# Altium PCB eva01.PcbDoc (part 1 of 4) (continued)
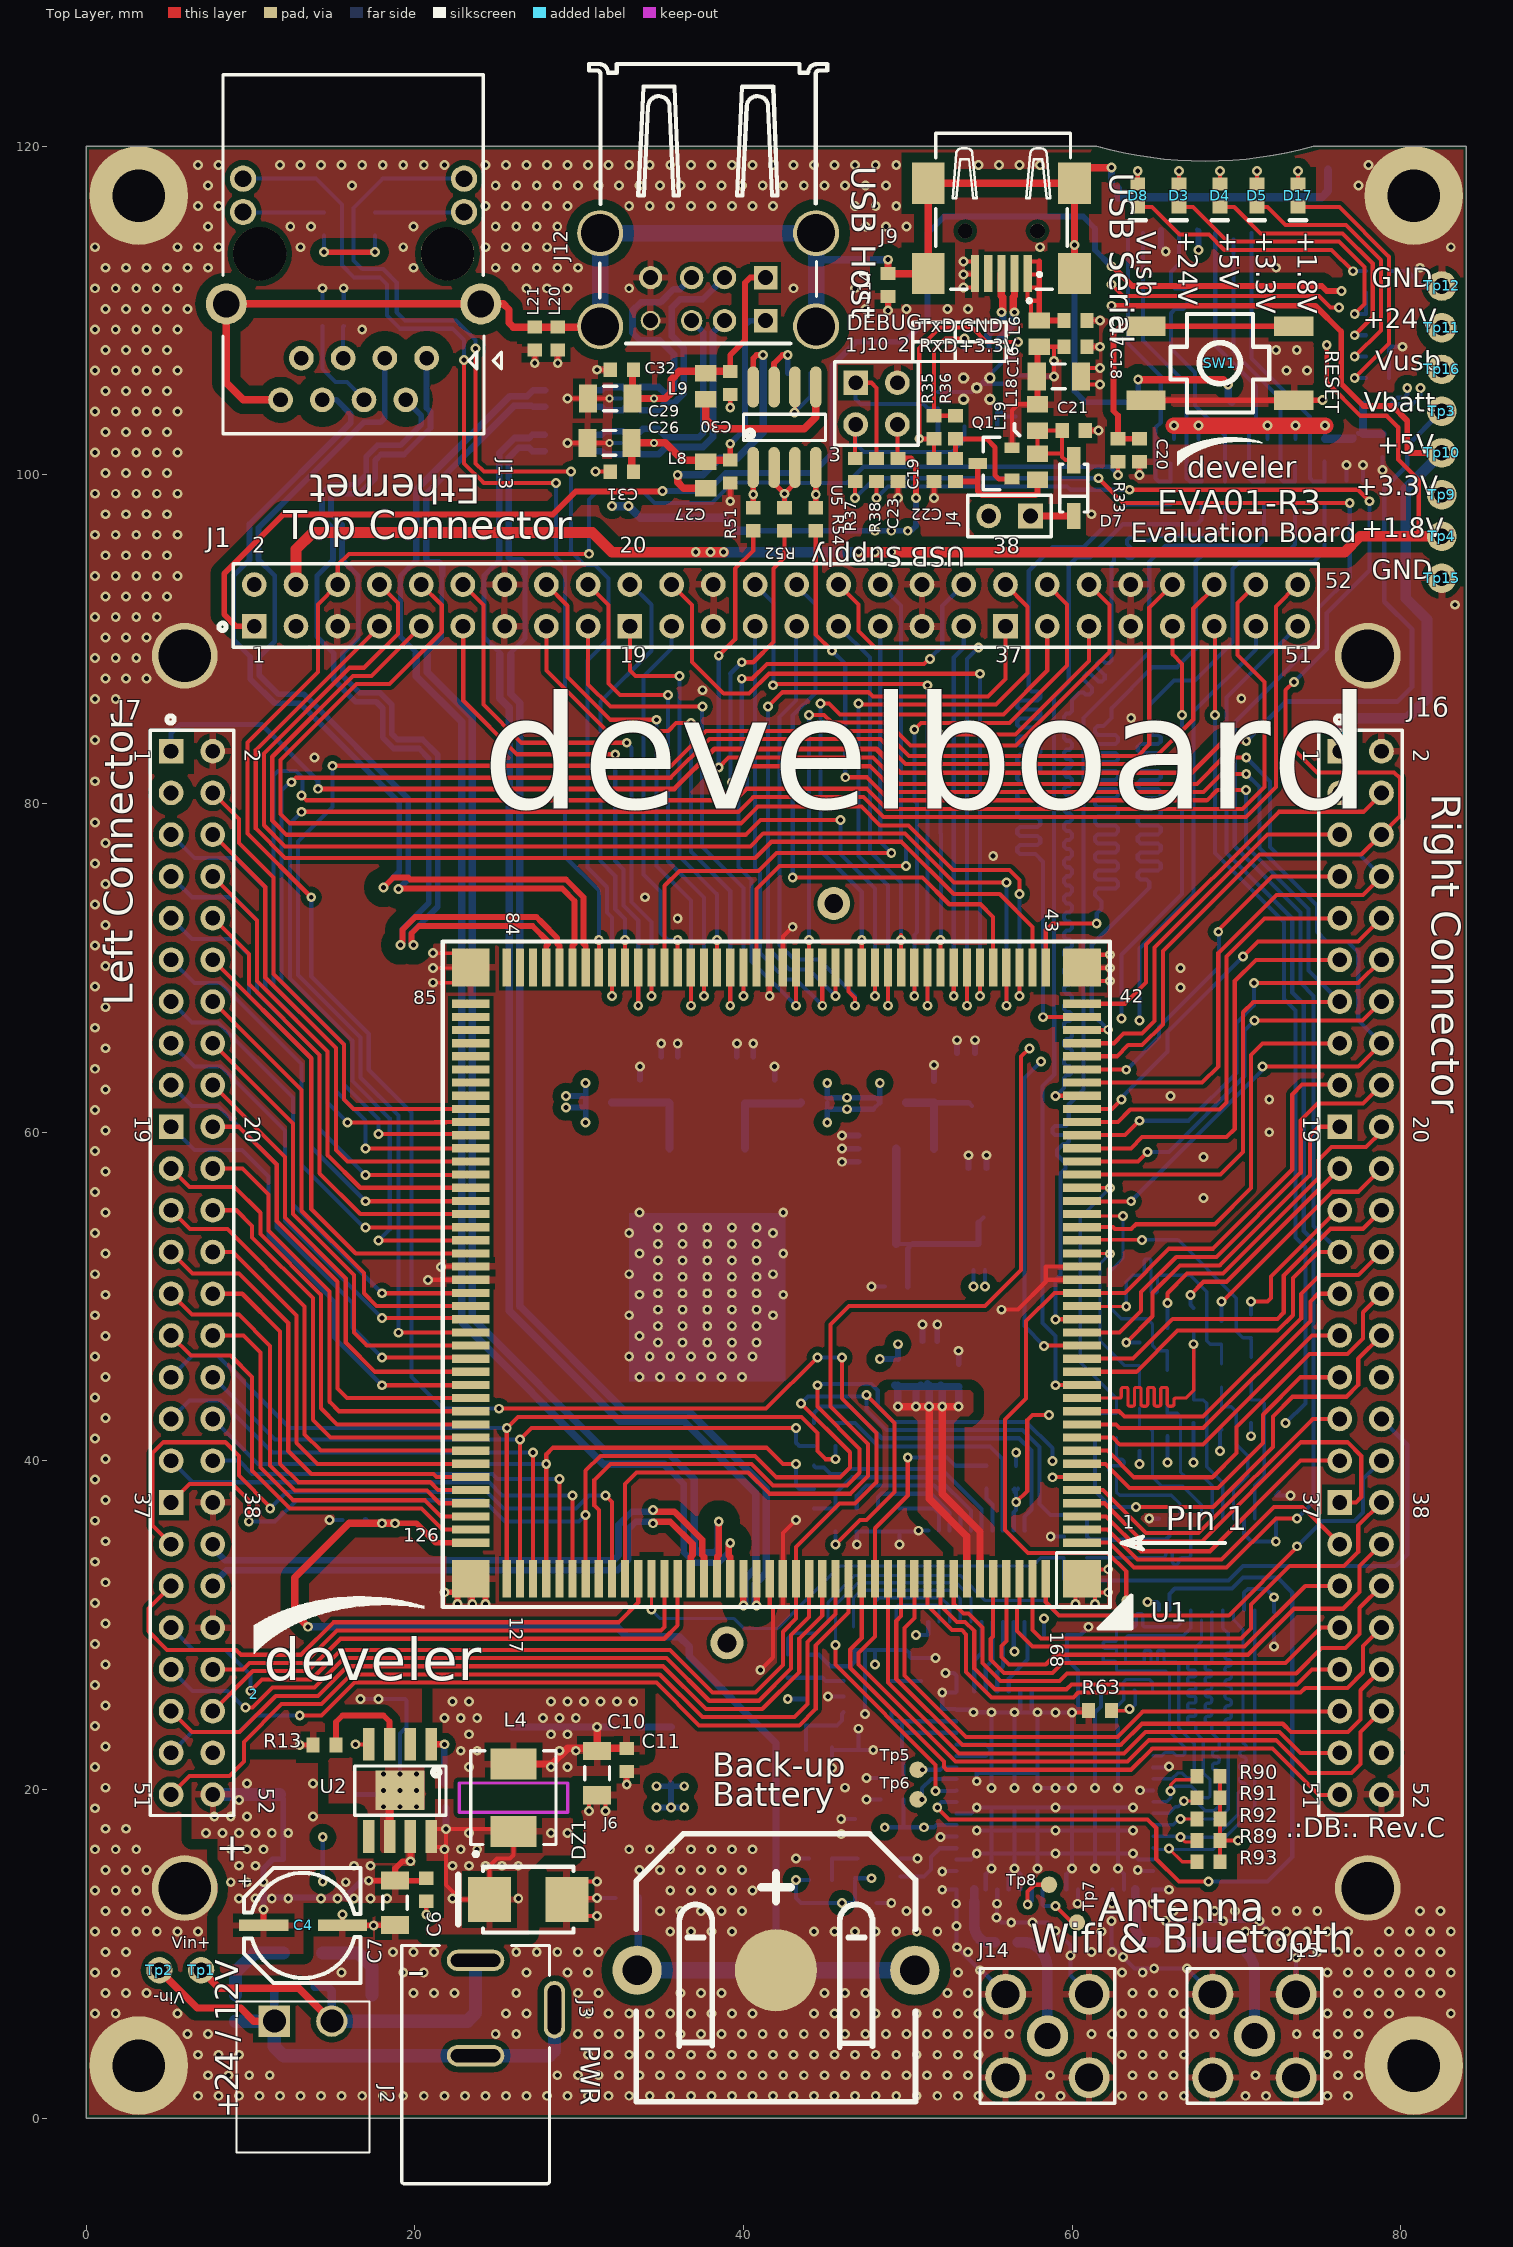
[diagram p0: Top Layer view]
## Design rules (kind name [scope] priority, off if disabled: settings) (continued)
PolygonConnect PolygonConnect_gndpad [((ObjectKind = 'Pad') And (Net = 'GND') And (Name = 'J6-NEG')) or ( (ObjectKind = 'Pad') And ((Component = 'U3') or (Component = 'U2') or (Component = 'U4')))] p2: connectstyle=Direct reliefconductorwidth=0.254 reliefentries=4 polygonreliefangle="90 Angle" airgapwidth=0.254
PolygonConnect PolygonConnect_via [isvia or HasFootprint('TEST_POINT_THD_D1.6MM')] p3: connectstyle=Direct reliefconductorwidth=0.35 reliefentries=4 polygonreliefangle="45 Angle" airgapwidth=0.254
PolygonConnect [All] p4: connectstyle=Relief reliefconductorwidth=0.4 reliefentries=4 polygonreliefangle="90 Angle" airgapwidth=0.35
RoomDefinition Usb_develboard [False] p1: confinementstyle=ConfineIn formatcopy=TRUE lockcomponents=FALSE outline 35.4,37.2 40.4,37.2 40.4,30.8 35.4,30.8
RoomDefinition Eth_develboard [InDifferentialPair('ETHRX') or InDifferentialPair('ETHTX')] p2: confinementstyle=ConfineOut formatcopy=TRUE lockcomponents=FALSE outline 27,74.5 30.8,74.5 30.8,68.1 27,68.1
RoomDefinition Eth_pin_header [All] p3: confinementstyle=ConfineOut formatcopy=TRUE lockcomponents=FALSE outline 11.9,88.7 8.5,88.7 8.5,95.3 11.9,95.3
RoomDefinition Eth_connector [All] p4: confinementstyle=ConfineIn formatcopy=TRUE lockcomponents=FALSE outline 7.075,101.96 25.775,101.96 25.775,120 7.075,120
RoomDefinition Usb_filter [All] p5: confinementstyle=ConfineIn formatcopy=TRUE lockcomponents=FALSE outline 35.5,105.7 35.5,100.9 29.8,100.9 29.8,105.7
RoutingVias [All] p1: holewidth=0.3 width=0.6 viastyle="Through Hole" minholewidth=0.25 minwidth=0.5 maxholewidth=0.8 maxwidth=1.6
SilkToSilkClearance [All] p1: silktosilkclearance=0.1
SilkToSolderMaskClearance SilkscreenOverComponentPads [IsPad] p1: minsilkscreentomaskgap=0.12 clearancetoexposedcopper=TRUE
SolderMaskExpansion SolderMaskExpansion_via [isvia] p1: expansion=-10
SolderMaskExpansion [All] p2: expansion=0.05
ViasUnderSMD VIA_UnderSMD_1 [(Name = 'L18-1') Or (Name = 'L18-2') Or (Name = 'Y1-1') Or (Name = 'Y1-2') Or (Name = 'Y2-1') Or (Name = 'Y2-2')] p1: allowed=TRUE
Width Width_SDIO [InNetClass('SDIO') or InNetClass('SDIO_BUS') or innetclass('SDIO_LOWBUS')] p1: maxlimit=0.2 minlimit=0.17 preferedwidth=0.2
Width [All] p2: maxlimit=10 minlimit=0.2 preferedwidth=0.35 minimp=50.000000 maximp=50.000000 favimp=50.000000
17 further rules are at their usual default settings.

## Classes and differential pairs
net class usb2_diff: U2_N U2_P USB1_N USB1_P
net class usb1_diff: U1_N U1_P USB2_N USB2_P
net class eth_diff: ETHRX_N ETHRX_P ETHTX_N ETHTX_P
net class LCD_BUS: PA0_LCDDAT0_TMS_A7 PA1_LCDDAT1_F6 PA2_LCDDAT2_G1_TXCK_E6 PA3_LCDDAT3_G1_RXCK_C6 PA4_LCDDAT4_G1_TXEN_D6 PA5_LCDDAT5_G1_TXER_B6 PA6_LCDDAT6_G1_CRS_A6 PA7_LCDDAT7_E5 PA8_LCDDAT8_TCK_A5 PA9_LCDDAT9_G1_COL_F4 PA10_LCDDAT10_G1_RXDV_F5 PA11_LCDDAT11_G1_RXER_D5 PA12_LCDDAT12_G1_RX0_G5 PA13_LCDDAT13_G1_RX1_C5 PA14_LCDDAT14_G1_TX0_E4 PA15_LCDDAT15_G1_TX1_B5 PA16_LCDDAT16_NTRST_H6 PA17_LCDDAT17_D4 PA18_LCDDAT18_G1_RX2_G4 PA19_LCDDAT19_G1_RX3_C4 PA20_LCDDAT20_G1_TX2_A3 PA21_LCDDAT21_G1_TX3_B4 PA22_LCDDAT22_G1_MDC_B3 PA23_LCDDAT23_G1_MDIO_A4 PA24_LCDPWM_PCK0_H5 PA25_LCDDISP_TD0_F3 PA26_LCDVSYNC_PWMH0_SP1_NPCS1_E3 PA27_LCDHSYNC_PWML0_SPI1_NPCS2_H4 PA28_LCDPCK_PWMH1_SP1_NPCS3_G3
net class mmc_con: PE18_MCI1_CK PE19_MCI1_CDA PE20_MCI1_DA0 PE21_MCI1_DA1 PE22_MCI1_DA2 PE23_MCI1_DA3
net class SDIO_LOWBUS: CLK CMD D0 D1 D2 D3 IRQ
component class connectors: J1 J7 J16
net class SDIO: PC4_SPI0_NPCS1_MCI0_CK_PCK1_W5_INT PE0_MCI0_CDB_CTS4_W19_INT PE1_MCI0_DB0_U17_INT PE2_MCI0_DB1_T17_INT PE3_MCI0_DB2_P16_INT PE4_MCI0_DB3_U18_INT PE8_TCLK3_PWML3_T19_INT
net class SDIO_BUS: NetR72_2 NetR73_2 NetR74_2 NetR75_2 NetR76_2 NetR84_1 NetR85_1
net class Power: +1.8V +3.3V +5V +5V_OUT +24V NetC12_1 NetC39_2 NetC50_1 SW_5V VBATT VBUS1 VBUS2 VCC_USB VDD_SD
component class usb_ethernet: C26 C27 C28 C29 C30 C31 C32 C33 C34 J12 J13 L8 L9 L10 L11 L20 L21 R9 R50 R51 R52 R53 R54 R55 R56 U5 U6 U7
component class supply: C3 C4 C5 C6 C7 C8 C9 C10 C11 C12 C13 C14 C15 C47 C48 C49 C50 C73 C74 D1 D2 D3 D4 D5 D6 D8 D17 DZ1 J2 J3 J6 L2 L3 L4 L5 L12 L15 L16 L17 R8 R13 R14 R15 R16 R17 R150 S1 Tp1 Tp2 Tp3 Tp4 Tp9 Tp10 Tp11 Tp12 Tp15 Tp16 U2 U3 U28
component class develboard: C1 C2 L1 U1
component class wifi: C35 C36 C37 C38 C39 C40 C41 C42 C43 C44 C45 C46 J14 J15 L13 R1 R2 R3 R4 R5 R6 R7 R10 R11 R57 R58 R59 R60 R62 R63 R65 R66 R67 R68 R69 R70 R71 R72 R73 R74 R75 R76 R77 R78 R79 R80 R81 R82 R83 R84 R85 R86 R87 R89 R90 R91 R92 R93 R94 Tp5 Tp6 Tp7 Tp8 U8 U9 U10 U11 U12
component class sd_debug: C16 C17 C18 C19 C20 C21 C22 C23 C24 C25 D7 J4 J9 J10 J11 L6 L7 L14 L18 L19 Q1 R33 R35 R36 R37 R38 R39 R40 R41 R42 R43 R44 R45 R46 R47 R48 R49 SW1 U4
net class mmc: PE18_TIOA5_MCI1_CK_P19 PE19_TIOB5_MCI1_CDA_N16 PE20_TCLK5_MCI1_DA0_M14 PE21_TIOA4_MCI1_DA1_M18 PE22_TIOB4_MCI1_DA2_M19 PE23_TCLK4_MCI_DA3_L18
net class LCD: PA0_LCDDAT0_TMS_A7 PA1_LCDDAT1_F6 PA2_LCDDAT2_G1_TXCK_E6 PA3_LCDDAT3_G1_RXCK_C6 PA4_LCDDAT4_G1_TXEN_D6 PA5_LCDDAT5_G1_TXER_B6 PA6_LCDDAT6_G1_CRS_A6 PA7_LCDDAT7_E5 PA8_LCDDAT8_TCK_A5 PA9_LCDDAT9_G1_COL_F4 PA10_LCDDAT10_G1_RXDV_F5 PA11_LCDDAT11_G1_RXER_D5 PA12_LCDDAT12_G1_RX0_G5 PA13_LCDDAT13_G1_RX1_C5 PA14_LCDDAT14_G1_TX0_E4 PA15_LCDDAT15_G1_TX1_B5 PA16_LCDDAT16_NTRST_H6 PA17_LCDDAT17_D4 PA18_LCDDAT18_G1_RX2_G4 PA19_LCDDAT19_G1_RX3_C4 PA20_LCDDAT20_G1_TX2_A3 PA21_LCDDAT21_G1_TX3_B4 PA22_LCDDAT22_G1_MDC_B3 PA23_LCDDAT23_G1_MDIO_A4 PA24_LCDPWM_PCK0_H5 PA25_LCDDISP_TD0_F3 PA26_LCDVSYNC_PWMH0_SP1_NPCS1_E3 PA27_LCDHSYNC_PWML0_SPI1_NPCS2_H4 PA28_LCDPCK_PWMH1_SP1_NPCS3_G3 PA29_LCDDEN_PWML1_J5
differential pair USB_OTG: +USB_OTG_P -USB_OTG_N
differential pair USB1: +USB1_P -USB1_N
differential pair USB2: +USB2_P -USB2_N
differential pair U1: +U1_P -U1_N
differential pair U2: +U2_P -U2_N
differential pair ETHRX: +ETHRX_P -ETHRX_N
differential pair ETHTX: +ETHTX_P -ETHTX_N
differential pair FTDIUSB: +FTDIUSB_P -FTDIUSB_N

## Components (designator, comment, footprint, x,y, rotation, side; value= is the part's Value field where it differs from the comment)
2 "" Develer_logo_15x6mm 10.21,25.79 r0 top
C1 "10uF" 1206_[3216] 51.35,45.975 r90 bottom
C2 "100nF" 0603_[1608] 53.1,45.2 r90 bottom
C3 "100nF" 0603_[1608] 13.2,8 r0 bottom
C4 "100uF" CAP_6X6_D8_SMD 13.2,11.725 r270 top
C5 "100uF" [7343]_CAP_TAN 22.7,23.8 r180 bottom
C6 "100nF" 0603_[1608] 20.7,13.9 r90 top
C7 "10uF" 1206_[3216] 18.8,13.1 r270 top
C8 "1uF" 1206_[3216] 18.8,13.1 r270 bottom
C9 "10nF" 0603_[1608] 21.7,19.65 r270 bottom
C10 "10uF" 1206_[3216] 31.1,21 r270 top
C11 "100nF" 0603_[1608] 32.9,21.8 r90 top
C12 "1uF" 1206_[3216] 35.5,63.1 r90 bottom
C13 "10uF" 1206_[3216] 40.1,63.1 r90 bottom
C14 "100nF" 0603_[1608] 33.7,62.5 r270 bottom
C15 "100nF" 0603_[1608] 41.9,62.5 r270 bottom
C16 "4.7uF" 1206_[3216] 59.2,106 r0 top
C17 "10nF" 0603_[1608] 60.2,109.4 r0 top
C18 "100nF" 0603_[1608] 60.2,107.8 r0 top
C19 "100nF" 0603_[1608] 51.6,100.3 r270 top
C20 "100nF" 0603_[1608] 64.1,101.5 r90 top
C21 "100nF" 0603_[1608] 60.1,102.7 r180 top
C22 "NP (100nF)" 0603_[1608] 52.9,100.3 r270 top
C23 "100nF" 0603_[1608] 49.4,100.3 r270 top
C24 "10uF" 1206_[3216] 77.2,101 r270 bottom
C25 "100nF" 0603_[1608] 78.9,101.8 r270 bottom
C26 "10uF" 1206_[3216] 31.85,101.95 r180 top
C27 "100nF" 0603_[1608] 39.2,100.2 r270 top
C28 "100nF" 0603_[1608] 43.4,106.2 r0 bottom
C29 "10uF" 1206_[3216] 31.9,104.65 r180 top
C30 "100nF" 0603_[1608] 39.2,105.6 r270 top
C31 "100nF" 0603_[1608] 32.6,100.2 r0 top
C32 "100nF" 0603_[1608] 32.6,106.4 r0 top
C33 "100nF" 0603_[1608] 14.375,109.76 r90 bottom
C34 "100nF" 0603_[1608] 15.675,109.76 r90 bottom
C35 "100nF" 0603_[1608] 59,29.4 r180 bottom
C36 "100nF" 0603_[1608] 56.6,39 r270 bottom
C37 "100nF" 0603_[1608] 72.4,37.2 r270 bottom
C38 "100nF" 0603_[1608] 72.3,30.2 r90 bottom
C39 "100nF" 0603_[1608] 49.05,20.7 r0 bottom
C40 "10uF" 1206_[3216] 48.3,22.4 r0 bottom
C41 "4.7uF" 0805_[2012] 44.6,22.4 r180 bottom
C42 "1uF" 1206_[3216] 48.25,17.7 r0 bottom
C43 "100nF" 0603_[1608] 49.05,19.4 r0 bottom
C44 "100nF" 0603_[1608] 47.5,13.1 r180 bottom
C45 "100pF" 0603_[1608] 56,10.7 r0 bottom
C46 "100pF" 0603_[1608] 66,10.7 r0 bottom
C47 "100nF" 0603_[1608] 16.3,36.4 r0 bottom
C48 "100nF" 0603_[1608] 32.9,13.4 r0 bottom
C49 "10uF" 1206_[3216] 53.5,63.2 r90 bottom
C50 "10uF" 1206_[3216] 54.3,56.1 r90 bottom
C73 "100nF" 0603_[1608] 51.6,62.5 r270 bottom
C74 "100nF" 0603_[1608] 49.3,50.6 r0 bottom
D1 "Bridge Diode" Diode_bridge_smd 13.2,12.9 r0 bottom
D2 "SMBJ28A" DO214AA_12 14.1,19.7 r0 bottom
D3 "+24V" 0603_[1608]_LED 66.5,117 r270 top
D4 "+5V" 0603_[1608]_LED 69,117 r270 top
D5 "+3.3V" 0603_[1608]_LED 71.25,117 r270 top
D6 "MBR120VLSFT1G" SOD-123 35.6,22.1 r270 bottom
D7 "MBR120VLSFT1G" SOD-123 60.1,99.2 r270 top
D8 "Vusb" 0603_[1608]_LED 64,117 r270 top
D17 "+1.8V" 0603_[1608]_LED 73.75,117 r270 top
DZ1 "B340A" DO214AA_12 26.9,13.3 r0 top
J1 "TOP" HEADER_2x26_2.54MM_THD 41.98,92.06 r0 top locked
J2 "+24V Input" TBLOCK_1X2_3.5MM_HOR_THD 13.2,5.9 r0 top
J3 "+24V Input" DC_JACK_6.5X2.5MM_RIGHT_THT 26.1,6.7 r270 top
J4 "USB_PWR" HEADER_1X2_2.54MM_THD 56.2,97.5 r180 top
J6 "Battery Holder" BATTERY_HOLDER_16MM_THD 41.98,9 r180 top locked
J7 "LEFT" HEADER_2x26_2.54MM_THD 6.44,51.44 r270 top locked
J9 "Mini USB Type B" usb_typeB_mini_smd 55.7,115 r180 top
J10 "DEBUG" HEADER_2X2_2.54MM_THD 48.1,104.34 r270 top
J11 "Micro SD holder" micro_sd_holder_pp 69,111.5 r180 bottom locked
J12 "USB Type A Dual" USB_TYPEA_DOUBLE_THD 37.85,111.88 r180 top
J13 "WE 74990111217" RJ45_LAN_TRANSFORMER_HORIZONTAL 16.275,113.46 r0 top locked
J14 "ANT_WLAN_1" SMA_JACK_FEMALE_5.08MM_THD 58.5,5 r0 top
J15 "NP (ANT_WLAN_2)" SMA_JACK_FEMALE_5.08MM_THD 71.1,5 r0 top
J16 "RIGHT" HEADER_2x26_2.54MM_THD 77.56,51.44 r270 top locked
L1 "220 ohm @ 100MHz" 0805_[2012] 49.4,45.4 r270 bottom
L2 "220 ohm @ 100MHz" 0805_[2012] 17.4,6.7 r90 bottom
L3 "220 ohm @ 100MHz" 0805_[2012] 9.1,6.7 r90 bottom
L4 "10uH  WE 74437334100" WE-LHMI_5020 26,19.5 r90 top
L5 "220 ohm @ 100MHz" 0805_[2012] 31.2,61.8 r0 bottom
L6 "220 ohm @ 100MHz" 0805_[2012] 58,108.6 r90 top
L7 "220 ohm @ 100MHz" 0805_[2012] 78.6,104.3 r180 bottom
L8 "220 ohm @ 100MHz" 0805_[2012] 37.7,100 r270 top
L9 "220 ohm @ 100MHz" 0805_[2012] 37.7,105.4 r270 top
L10 "Line filter (WE 744232090)" WE-CNSW_1206 29.3,101.95 r0 bottom
L11 "Line filter (WE 744232090)" WE-CNSW_1206 29.3,104.65 r0 bottom
L12 "220 ohm @ 100MHz" 0805_[2012] 49.1,61.8 r0 bottom
L13 "220 ohm @ 100MHz" 0805_[2012] 43.8,24.7 r90 bottom
L14 "180R @ 100Mhz" 0603_[1608] 48.8,111.55 r270 top
L15 "220 ohm @ 100MHz" 0805_[2012] 44.3,61.8 r180 bottom
L16 "220 ohm @ 100MHz" 0805_[2012] 54.3,52.4 r90 bottom
L17 "220 ohm @ 100MHz" 0805_[2012] 32.9,23.8 r180 bottom
L18 "220 ohm @ 100MHz" 0805_[2012] 57.9,103.5 r90 top
L19 "NP (220 ohm @ 100MHz)" 0805_[2012] 57.9,100.5 r270 top
L20 "180R @ 100Mhz" 0603_[1608] 28.7,108.3 r270 top
L21 "180R @ 100Mhz" 0603_[1608] 27.3,108.3 r270 top
Q1 "NP (IRLML6402)" SOT-23 55.3,100.7 r180 top
R1 "NP" 0603_[1608] 70.9,48.2 r90 bottom
R2 "NP" 0603_[1608] 69.1,47.8 r90 bottom
R3 "NP" 0603_[1608] 67.4,48.6 r90 bottom
R4 "NP" 0603_[1608] 65.8,47.4 r90 bottom
R5 "NP" 0603_[1608] 64.1,46.5 r90 bottom
R6 "NP" 0603_[1608] 60.2,32.8 r0 bottom
R7 "NP" 0603_[1608] 61.4,42.2 r270 bottom
R8 "680R" 0603_[1608] 78.6,112.4 r180 bottom
R9 "10K" 0603_[1608] 42.5,97.3 r90 bottom
R10 "NP" 0603_[1608] 44.3,36.4 r90 bottom
R11 "22R" 0603_[1608] 45.6,36.4 r90 bottom
R13 "68K" 0603_[1608] 14.5,22.7 r0 top
R14 "10K" 0603_[1608] 78.6,109.8 r180 bottom
R15 "10K" 0603_[1608] 78.6,111.1 r180 bottom
R16 "680R" 0603_[1608] 78.6,108.5 r180 bottom
R17 "180R" 0603_[1608] 78.6,107.2 r180 bottom
R33 "22R" 0603_[1608] 62.8,101.5 r270 top
R35 "NP (10K)" 0603_[1608] 51.6,102.9 r90 top
R36 "NP (1K)" 0603_[1608] 52.9,102.9 r90 top
R37 "22R" 0603_[1608] 46.8,100.3 r90 top
R38 "22R" 0603_[1608] 48.1,100.3 r90 top
R39 "10K" 0603_[1608] 71.675,101.5 r270 bottom
R40 "68K" 0603_[1608] 66,101.5 r270 bottom
R41 "68K" 0603_[1608] 67.875,101.5 r270 bottom
R42 "68K" 0603_[1608] 73.575,101.5 r270 bottom
R43 "68K" 0603_[1608] 75.375,101.5 r270 bottom
R44 "22R" 0603_[1608] 66,98.9 r90 bottom
R45 "22R" 0603_[1608] 67.875,98.9 r90 bottom
R46 "22R" 0603_[1608] 69.3,98.9 r90 bottom
R47 "22R" 0603_[1608] 71.675,98.9 r90 bottom
R48 "22R" 0603_[1608] 73.575,98.9 r90 bottom
R49 "22R" 0603_[1608] 75.375,98.9 r90 bottom
R50 "10K" 0603_[1608] 40.6,97.3 r90 bottom
R51 "22R" 0603_[1608] 40.6,97.3 r90 top
R52 "22R" 0603_[1608] 42.5,97.3 r90 top
R53 "10K" 0603_[1608] 44.4,97.3 r90 bottom
R54 "22R" 0603_[1608] 44.4,97.3 r90 top
R55 "470R" 0603_[1608] 17.575,115.26 r270 bottom
R56 "470R" 0603_[1608] 14.475,115.26 r270 bottom
R57 "22R" 0603_[1608] 54.8,39 r270 bottom
R58 "22R" 0603_[1608] 44.3,41.6 r90 bottom
R59 "22R" 0603_[1608] 45.6,41.6 r90 bottom
R60 "22R" 0603_[1608] 44.3,39 r90 bottom
R62 "22R" 0603_[1608] 42.7,27.5 r270 bottom
R63 "NP" 0603_[1608] 61.7,24.8 r180 top
R65 "100K" 0603_[1608] 46.7,29.2 r270 bottom
R66 "100K" 0603_[1608] 46.9,36.4 r270 bottom
R67 "100K" 0603_[1608] 48,29.2 r270 bottom
R68 "100K" 0603_[1608] 48.2,36.4 r270 bottom
R69 "100K" 0603_[1608] 49.3,29.2 r270 bottom
R70 "10K" 0603_[1608] 44,27.5 r270 bottom
R71 "100K" 0603_[1608] 49.5,36.4 r270 bottom
R72 "10K" 0603_[1608] 69.1,42.6 r90 bottom
R73 "10K" 0603_[1608] 65.8,42.2 r90 bottom
R74 "10K" 0603_[1608] 64.1,41.3 r90 bottom
R75 "10K" 0603_[1608] 67.4,43 r90 bottom
R76 "10K" 0603_[1608] 70.9,43 r90 bottom
R77 "470R" 0603_[1608] 50.8,27.3 r90 bottom
R78 "10K" 0603_[1608] 60.2,35.4 r0 bottom
R79 "22R" 0603_[1608] 70.9,45.6 r90 bottom
R80 "22R" 0603_[1608] 69.1,45.2 r90 bottom
R81 "22R" 0603_[1608] 67.4,45.6 r90 bottom
R82 "22R" 0603_[1608] 65.8,44.8 r90 bottom
R83 "22R" 0603_[1608] 64.1,43.9 r90 bottom
R84 "22R" 0603_[1608] 60.2,34.1 r180 bottom
R85 "22R" 0603_[1608] 62.7,42.2 r90 bottom
R86 "22R" 0603_[1608] 60.2,36.7 r180 bottom
R87 "0R" 0603_[1608] 44.7,14.5 r0 bottom
R89 "NP" 0603_[1608] 68.3,16.9 r180 top
R90 "NP" 0603_[1608] 68.3,20.8 r180 top
R91 "NP" 0603_[1608] 68.3,19.5 r180 top
R92 "NP" 0603_[1608] 68.3,18.2 r180 top
R93 "NP" 0603_[1608] 68.3,15.6 r180 top
R94 "NP" 0603_[1608] 44.7,15.8 r0 bottom
R150 "56R" 0603_[1608] 78.6,105.9 r180 bottom
SW1 "RESET" TACTILE_SWITCH_6x6MM_SMD 69,106.8 r90 top
Tp1 "Vin+" TEST_POINT_THD_D1.6MM#1 7,9 r0 top
Tp2 "Vin-" TEST_POINT_THD_D1.6MM#2 4.46,9 r270 top
Tp3 "Vbatt" TEST_POINT_THD_D1.8MM 82.5,103.88 r180 top
Tp4 "+1.8V" TEST_POINT_THD_D1.8MM 82.5,96.26 r180 top
Tp5 "BT_DBG" TEST_POINT_SMD_D1MM 50.6,21.2 r0 top
Tp6 "WL_DBG" TEST_POINT_SMD_D1MM 50.6,19.4 r0 top
Tp7 "WL_DBG_RX" TEST_POINT_SMD_D1MM 60.3,11.9 r90 top
Tp8 "WL_DBG_TX" TEST_POINT_SMD_D1MM 58.6,14.2 r90 top
Tp9 "+3.3V" TEST_POINT_THD_D1.8MM 82.5,98.8 r180 top
Tp10 "+5V" TEST_POINT_THD_D1.8MM 82.5,101.34 r180 top
Tp11 "+24V" TEST_POINT_THD_D1.8MM 82.5,108.96 r180 top
Tp12 "GND" TEST_POINT_THD_D1.8MM 82.5,111.5 r180 top
Tp15 "GND" TEST_POINT_THD_D1.8MM 82.5,93.72 r180 top
Tp16 "Vusb" TEST_POINT_THD_D1.8MM 82.5,106.42 r180 top
U1 "DevelBoard" PROJECT42_FOOTPRINT_SOCKET 42,51.42 r270 top locked
U2 "LM22670MRE-5.0/NOPB" SOIC8_PAD 19.1,19.95 r270 top
U3 "LD29150DT33R" TO-252_D2PAK_LARGEPAD 37.8,53.588 r270 bottom
U4 "FT232RQ" QFN-32 54.2,105.3 r0 bottom locked
U5 "SP2526A-1EN-L" SOIC8 42.5,102.9 r90 top
U6 "TVS Array (WE 82400152)" SOT-563 33.2,101.95 r90 bottom
U7 "TVS Array (WE 82400152)" SOT-563 33.2,104.65 r90 bottom
U8 "TXB0108PW" TSOP65P640X120-20L 54.175,32.975 r90 bottom
U9 "WL1831MOD" WL18XX_E-13.4X13.3-N100_0.75 58.95,19.95 r270 bottom locked
U10 "FPF2124" SOT-23-5 47.55,25.65 r90 bottom
U11 "TXS0108E" TSOP65P640X120-20L 68.2,33.7 r90 bottom locked
U12 "32.768kHz Oscillator" CRYSTAL_3.2X1.5MM_4P_SMD 48.25,15.2 r0 bottom
U28 "LM1117-18" SOT-223 49.3,56.1 r270 bottom
? "" DEVELER_LOGO_8X3MM 67,99.4 r0 top
? "" DEVELER_LOGO_8X3MM_BOTSOLDER 83.3,54.4 r90 top
? "" Develer_logo_15x6mm 53.98,82.19 r270 bottom

## Footprints (in the part's own frame and the unit in brackets; to place one, negate y for a bottom-side part, rotate by r counter-clockwise, add the part's x,y. Pads: shape width x height; smd on the part's side, far side on the other; paste and mask are expansions set on the pad)
0603_[1608] [mm] "Chip Capacitor, Body 1.6x0.8mm, IPC High Density"
  rect 0.8x0.9 smd: 1(-0.7,0) 2(0.7,0)
  body extent -0.75,-0.4 0.75,0.4, height 0.67
0603_[1608]_LED [mm] "SMD led 0603 size"
  rect 0.8x0.9 smd: 1(-0.7,0) 2(0.7,0)
  silkscreen extent 1.5,-0.5 1.5,0.5, body extent -0.8,-0.4 0.8,0.4, height 0.7
0805_[2012] [mm] "Chip Resistor, Body 2.0x1.2mm, IPC High Density"
  rect 1x1.3 smd: 1(-0.8,0) 2(0.8,0)
  body extent -1,-0.6 1,0.6, height 0.62
1206_[3216] [mm] "Chip Capacitor, Body 3.2x1.6mm, IPC High Density"
  rect 1.1x1.7 smd: 1(-1.35,0) 2(1.35,0)
  silkscreen extent -0.4,-0.75 0.4,0.75, body extent -1.7,-0.9 1.7,0.9, height 1.3
[7343]_CAP_TAN [mm] "Capacitor, SM Tantalum; Body 7.3 x 4.3 mm (LxW typ)"
  rect 2.6x4.2 smd: 1(-3.2,0) 2(3.2,0)
  silkscreen extent -4.9,-2.3 -4.9,2.3, body extent -3.8,-2.3 3.8,2.3, height 3.1
BATTERY_HOLDER_16MM_THD [mm] "Coin Battery CR1612/1616/1620/1632 (3013, Keystone)"
  round 5 smd: NEG(0,0)
  round 3 hole 1.8: P1(-8.45,0) P2(8.45,0)
  silkscreen extent -8.5,-8.3 8.5,8, body extent -9.44,-7.5 8.5,7.84, height 4
CAP_6X6_D8_SMD [mm] "SMD Capacitor 6x6mm"
  rect 0.7x3 smd: 1(0,-2.4) 2(0,2.4)
  silkscreen extent -3.5,-3.6 3.5,3.5, body extent -3.3,-3.5 3.3,3.5, height 7.7
CRYSTAL_3.2X1.5MM_4P_SMD [mm] "SMD cristal/oscillator 4 pin"
  rect 1.05x0.8 smd: 1(-1.325,-0.6) 2(1.325,-0.6) 3(1.325,0.6) 4(-1.325,0.6)
  body extent -1.6,-0.8 1.6,0.8, height 0.8
DC_JACK_6.5X2.5MM_RIGHT_THT [mm] "WR-DC_DC Power Jack_Right Angled_THT Center Pin ?2.5_Plug ID ?2.05_Plug OD ?5.5"
  oval 1.3x3.5 hole 0.8 slot 3 at 90 deg: 1(-2.9,-2.4) 2(2.9,-2.4)
  oval 3.5x1.3 hole 0.8 slot 3 at 0 deg: 3(0.1,2.4)
  silkscreen extent -3.8,-6.9 10.7,2.1, body extent -3.8,-6.9 10.7,2.5, height 10.7
DEVELER_LOGO_8X3MM [mm]
  silkscreen extent -0.6,1.16 4.57,2.89
DEVELER_LOGO_8X3MM_BOTSOLDER [mm]
Develer_logo_15x6mm [mm]